# Altium PCB PCB1.PcbDoc (part 1 of 8)
Units mm, origin at the board's own origin, x right, y up, seen from the top; angles counter-clockwise.
Board outline 215 x 62.44 mm, 6 copper layers (Top Layer, Layer 1, Layer 2, Layer 3, Layer 4, Bottom Layer), stack 1.538 mm thick; 444 components, 475 nets, 1876 pads, 1257 vias.
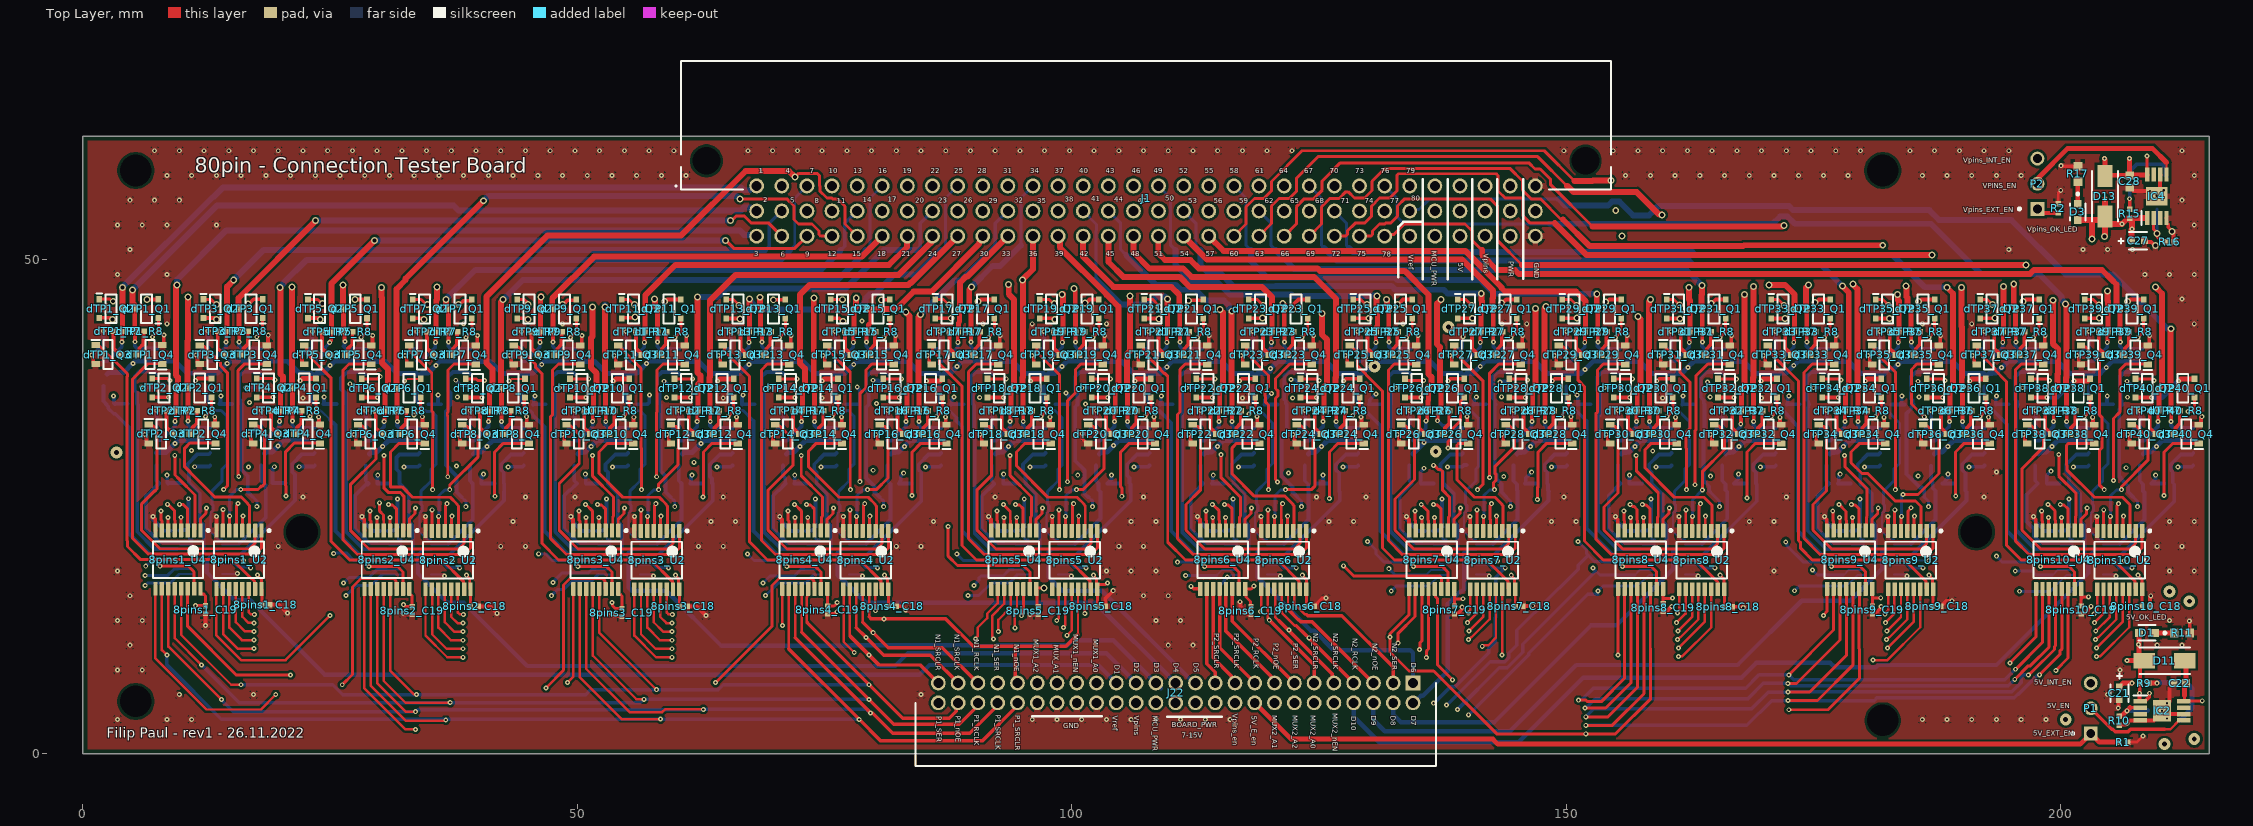
[diagram p0: Top Layer view]
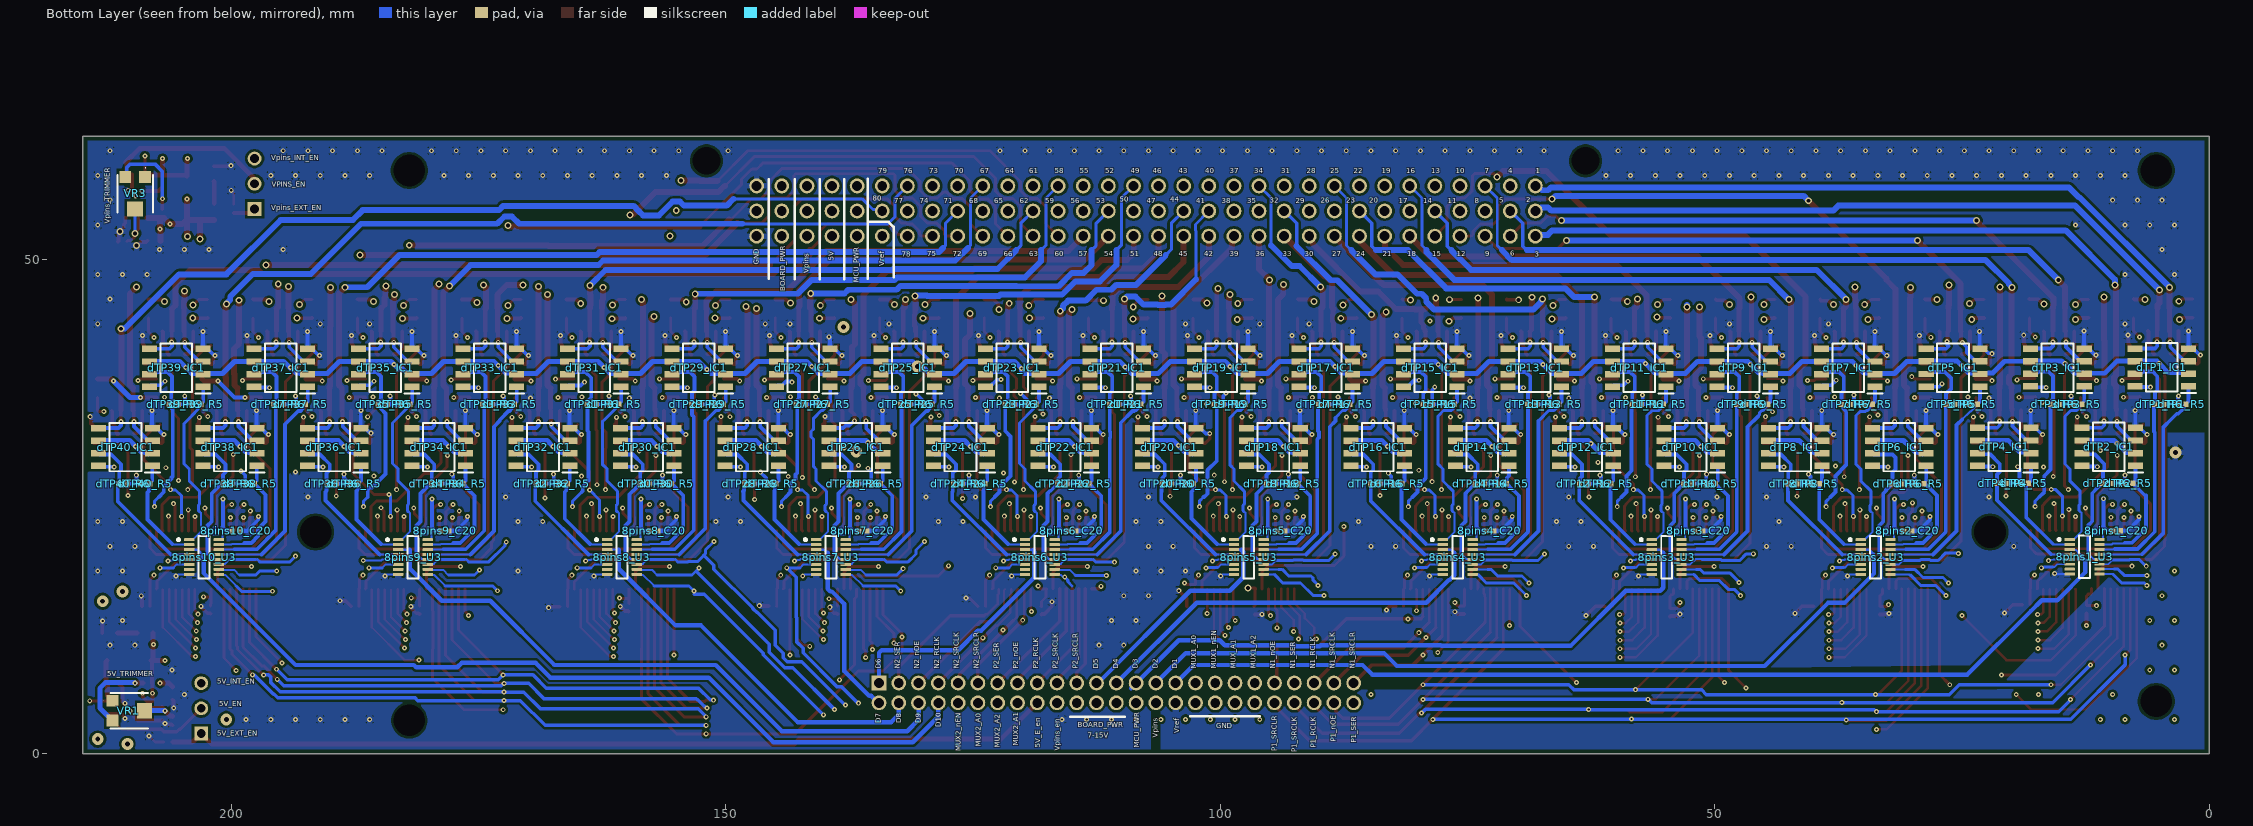
[diagram p1: Bottom Layer view, seen from below]
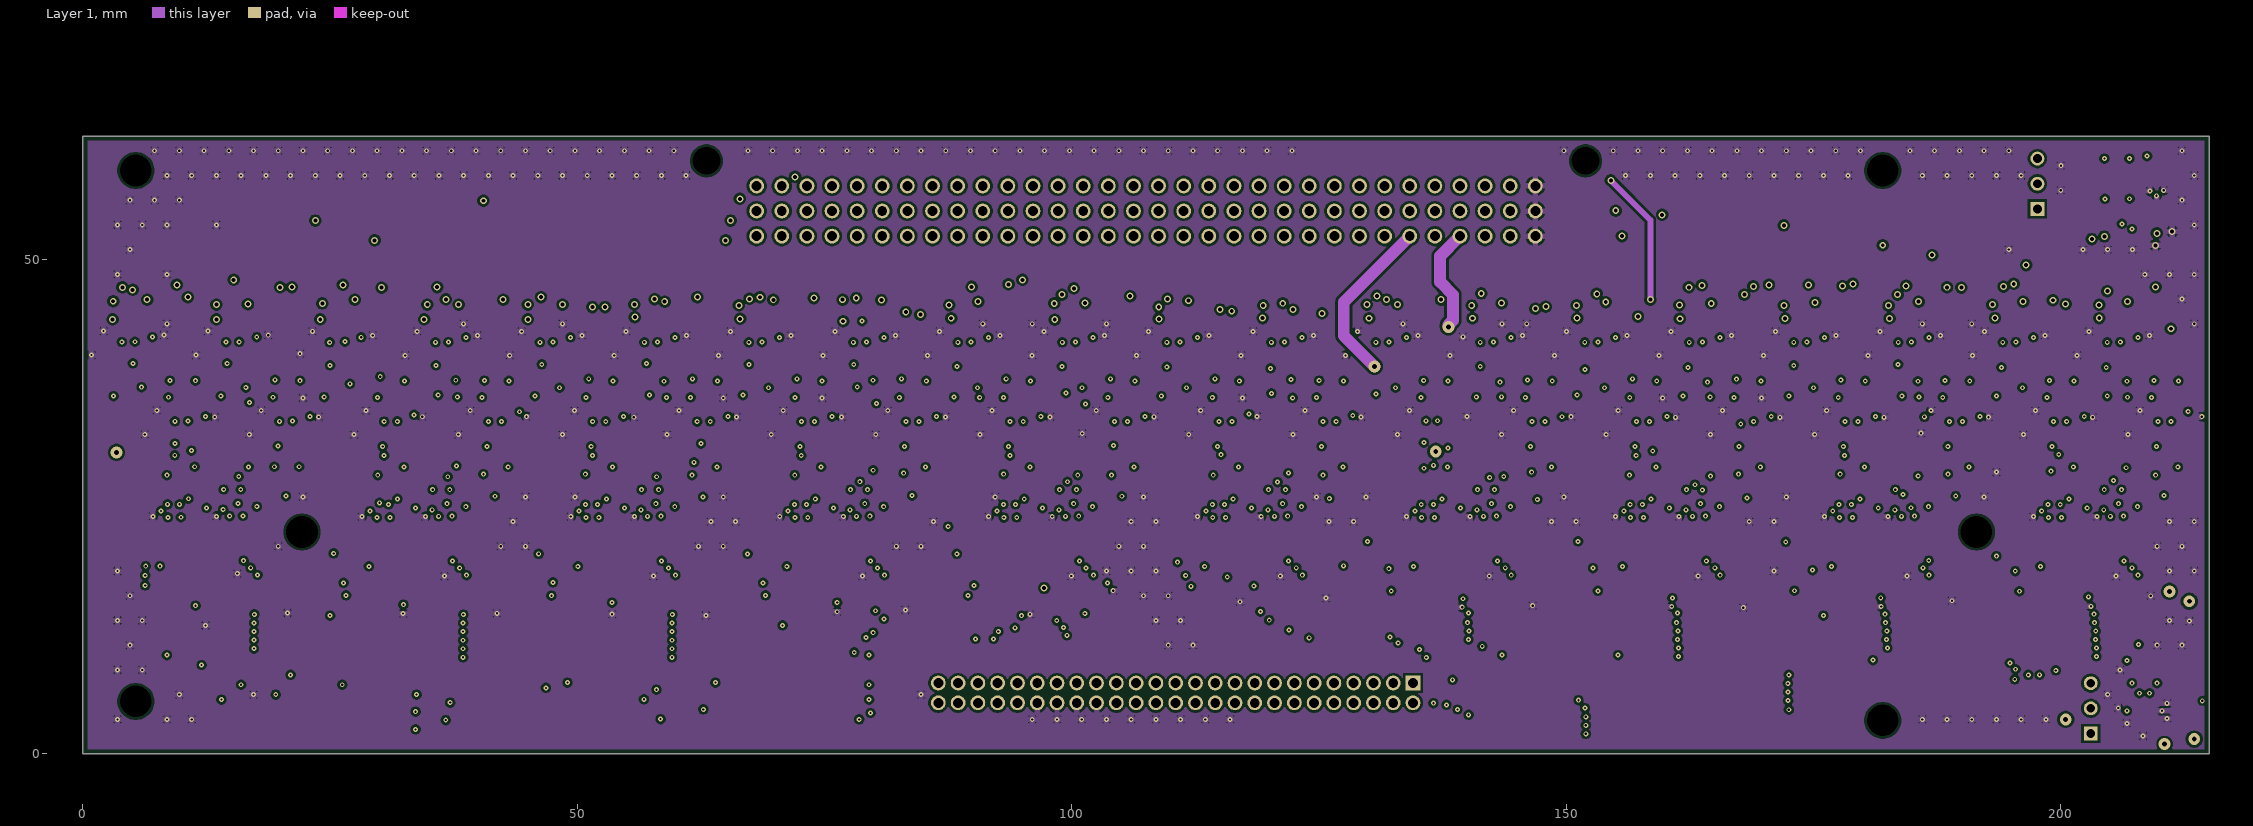
[diagram p2: Layer 1]
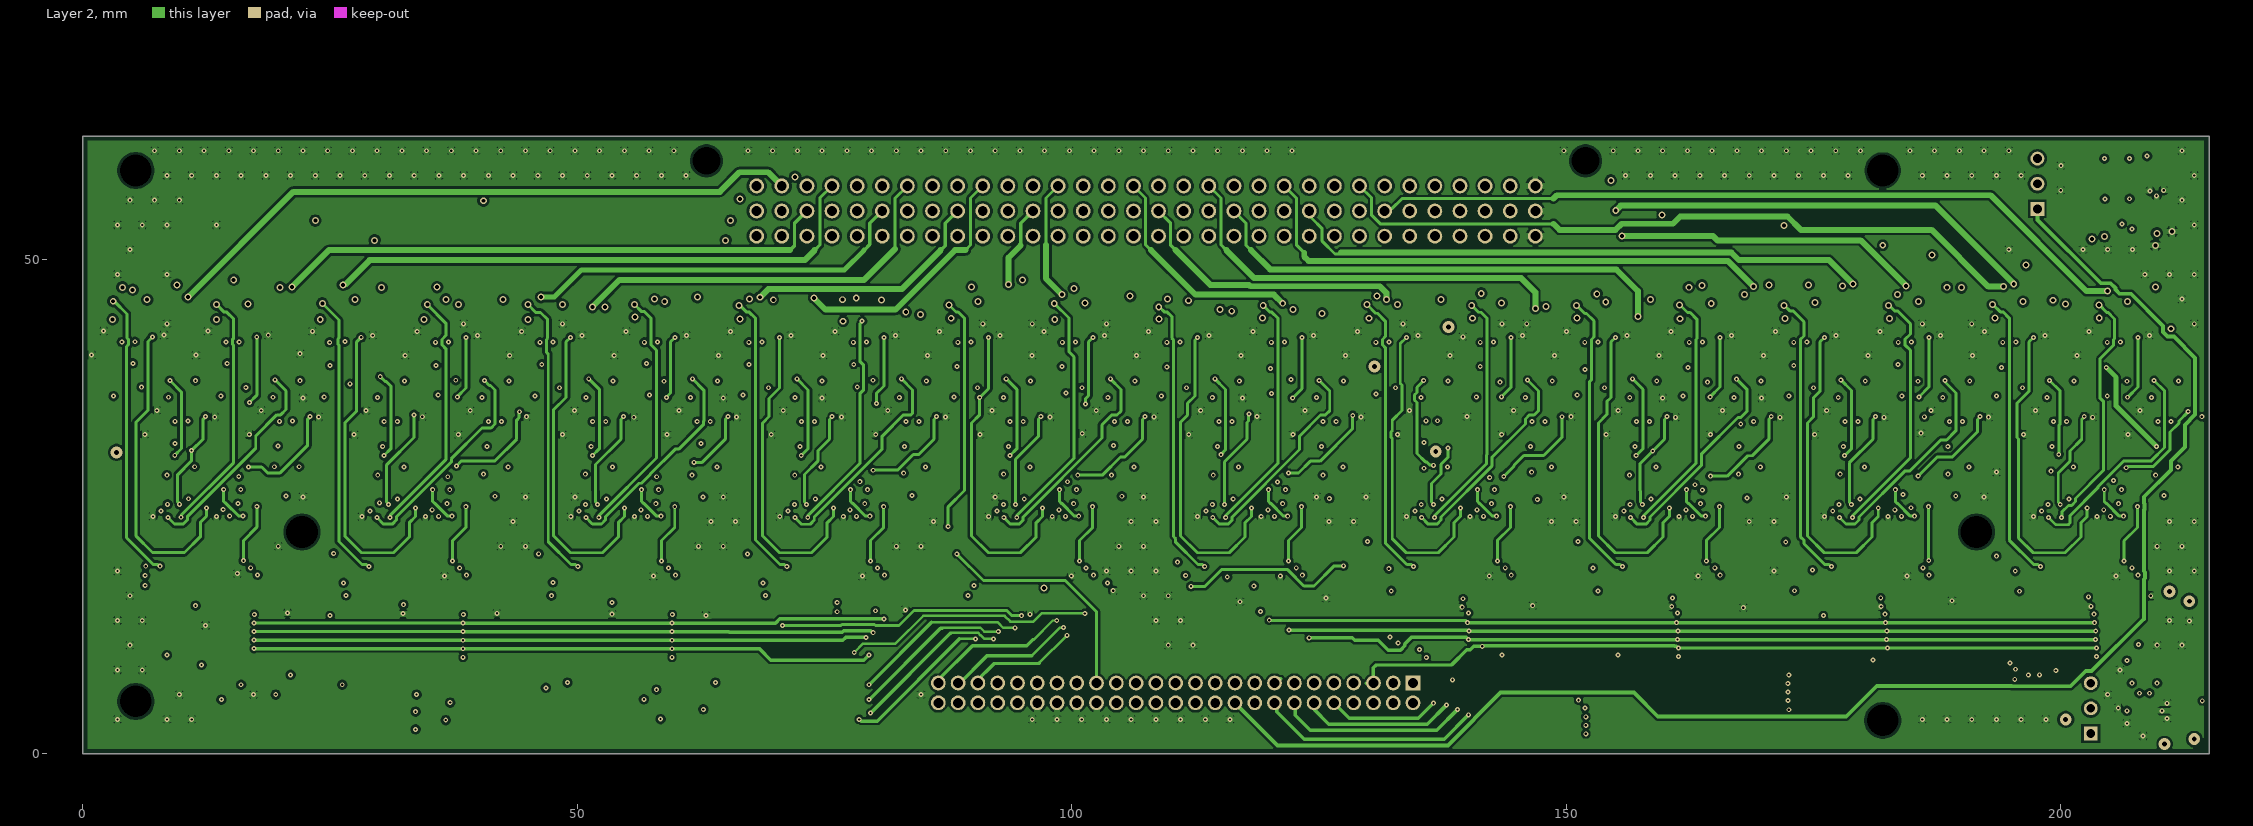
[diagram p3: Layer 2]
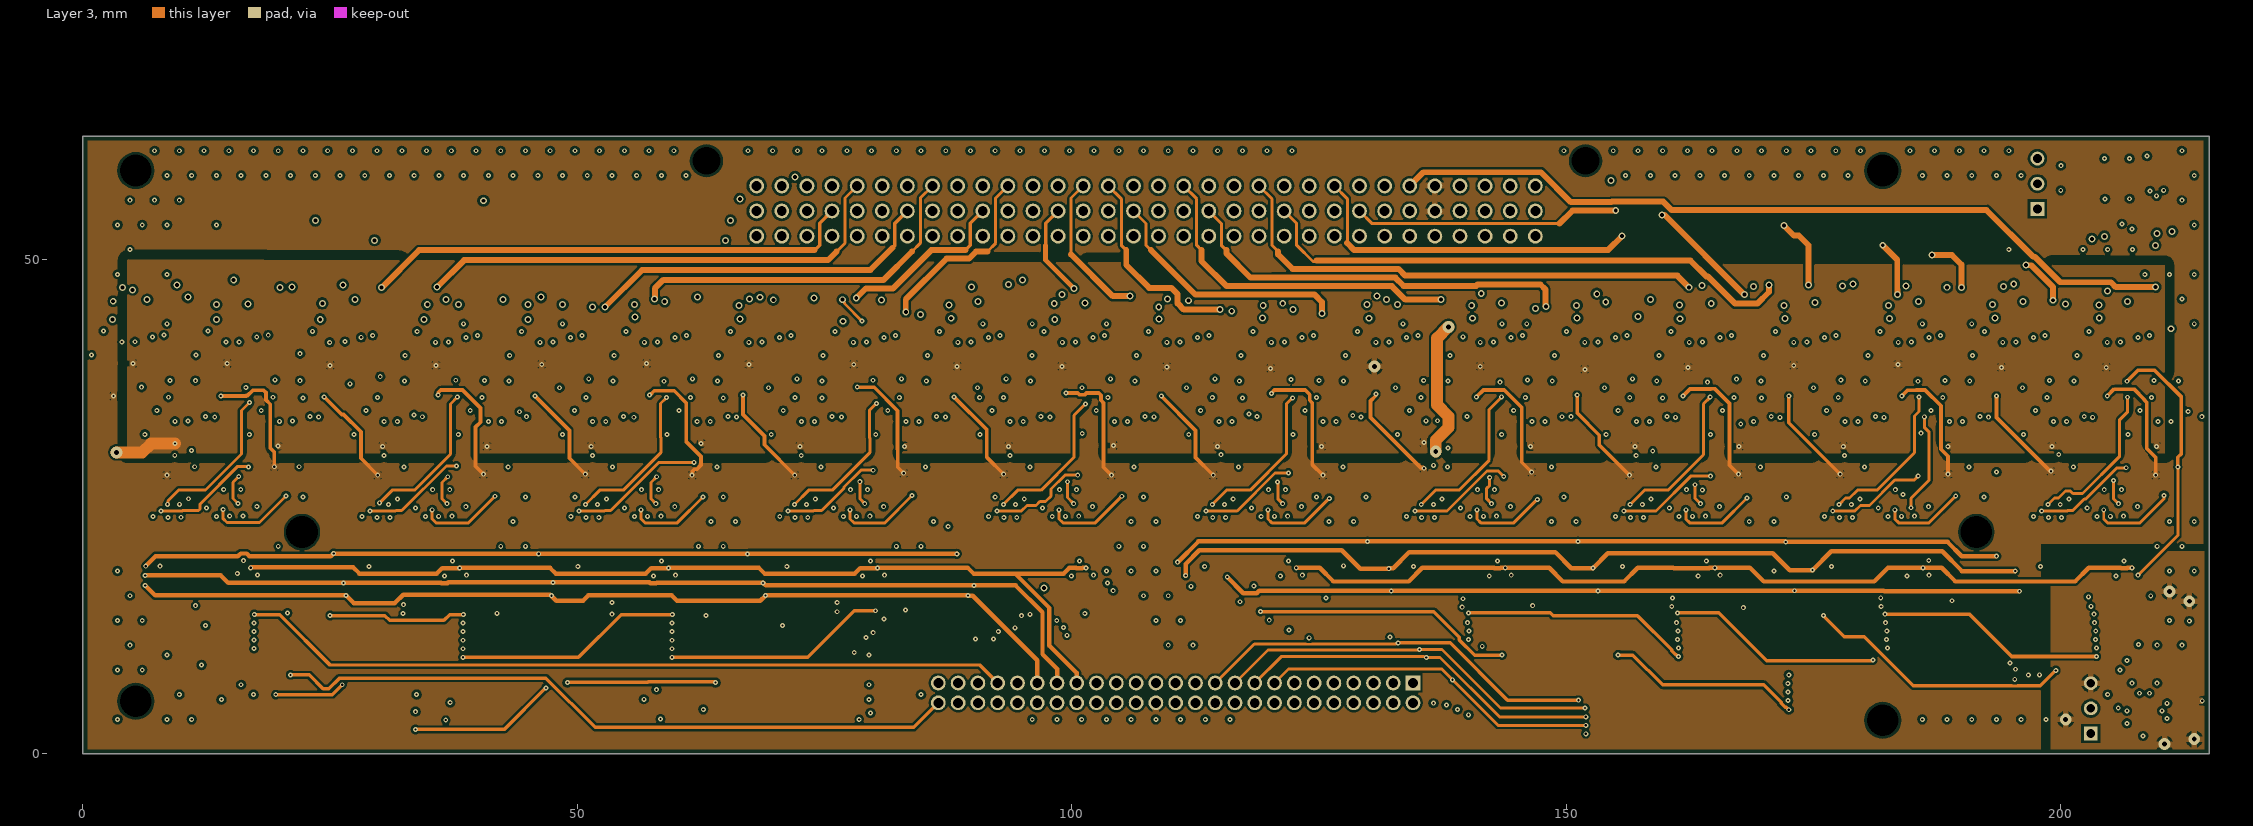
[diagram p4: Layer 3]
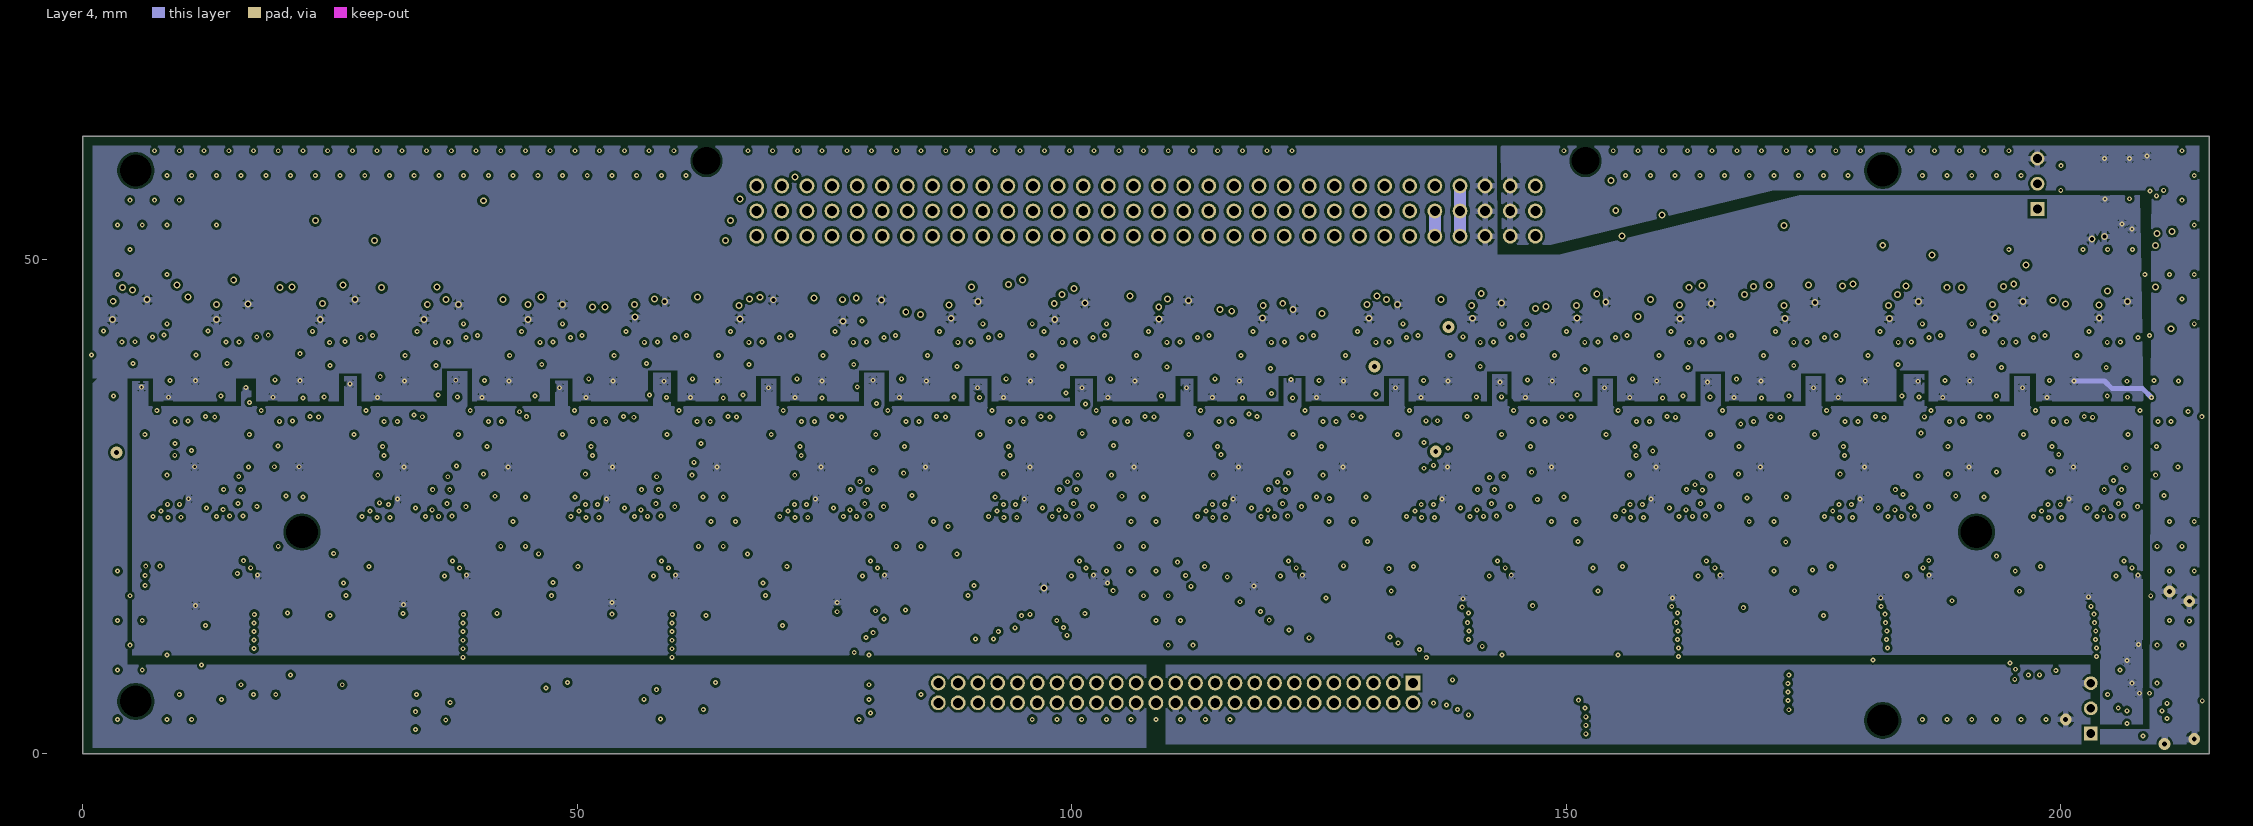
[diagram p5: Layer 4]
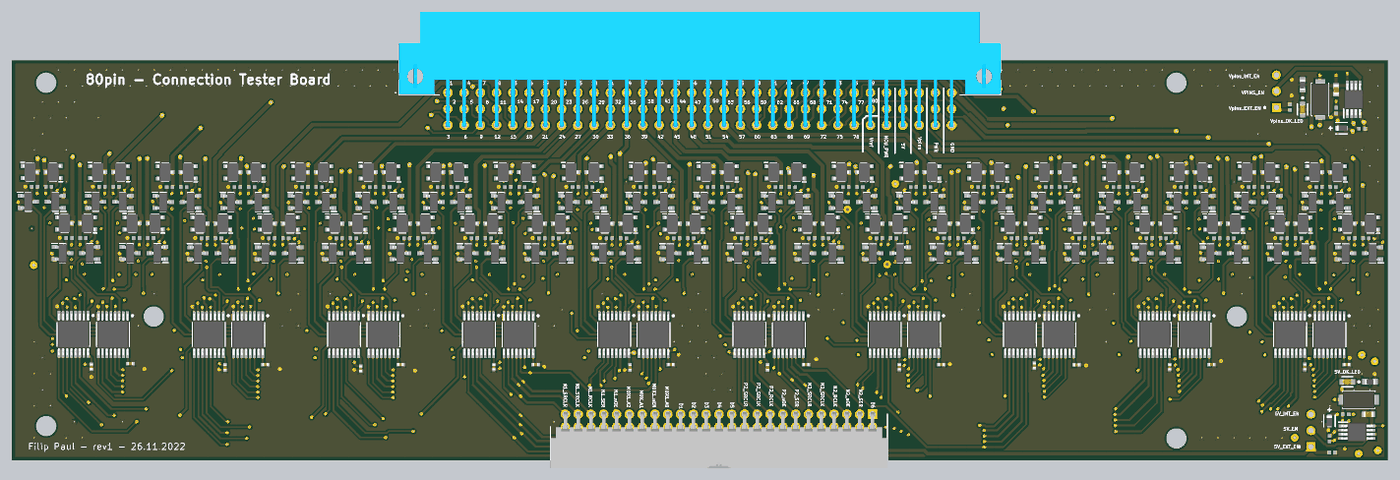
[diagram p13: 3D render of the assembled board from above, using the file's embedded part models]

## Layer stack, top to bottom
Top Solder: solder mask 0.0102, Solder Resist, Dk 3.5
Top Layer: signal copper 0.035
Dielectric 2: prepreg 0.0994, PP-006, Dk 4.6
Layer 1: signal copper 0.0152
Dielectric 3: prepreg 0.55, PP-006, Dk 4.1
Layer 2: signal copper 0.0152
Dielectric 1: dielectric 0.1088, FR-4, Dk 4.8
Layer 3: signal copper 0.0152
Dielectric 4: prepreg 0.55, PP-006, Dk 4.1
Layer 4: signal copper 0.0152
Dielectric 5: prepreg 0.0994, PP-006, Dk 4.6
Bottom Layer: signal copper 0.035
Bottom Solder: solder mask 0.0102, Solder Resist, Dk 3.5

## Board outline
215,0 215,62.445 0,62.445 0,0

## Design rules (kind name [scope] priority, off if disabled: settings)
Clearance Clearance_1 [InNamedPolygon('VREF_L04_P020')] p1: gap=0.254 ignorepadtopadclearanceinfootprint=FALSE except(0: Arc-Hole Track-Hole SMDPad-Hole THPad-Hole Via-Hole Fill-Hole Poly-Hole Region-Hole Text-Hole; 1: Fill-Fill Fill-Poly Fill-Region Poly-Poly Poly-Region Region-Region)
Clearance [All] p2: gap=0.254 ignorepadtopadclearanceinfootprint=TRUE except(0: Fill-Hole Poly-Hole Region-Hole Text-Hole; 0.127: SMDPad-SMDPad; 0.2: Arc-SMDPad Track-SMDPad; 0.33: Arc-THPad Track-THPad; 0.5: THPad-THPad THPad-Hole Via-Hole)
Height [All] p1: minheight=0 maxheight=25 prefheight=4.5
HoleSize [All] p1: absolutevalues=TRUE maxlimit=6.3 minlimit=0.2 maxpercent=80.000 minpercent=20.000
MinimumAnnularRing [All] p1: minimumring=0.13
MinimumSolderMaskSliver [All] p1: minsoldermaskwidth=0.1
PlaneClearance [All] p1: clearance=0.1
PlaneConnect [All] p1: planeconnectstyle=Relief reliefexpansion=0.508 reliefentries=4 reliefconductorwidth=0.6 reliefairgap=0.254
PolygonConnect [All] p1: connectstyle=Relief reliefconductorwidth=0.6 reliefentries=4 polygonreliefangle="90 Angle" airgapwidth=0.254
RoutingVias [All] p1: holewidth=0.35 width=0.5 viastyle="Through Hole" minholewidth=0.2 minwidth=0.4 maxholewidth=0.711 maxwidth=1.27
SilkToSilkClearance [All] p1: silktosilkclearance=0.15
SilkToSolderMaskClearance [IsPad] p1: minsilkscreentomaskgap=0.1 clearancetoexposedcopper=TRUE
SolderMaskExpansion [All] p1: expansion=0.05 istentingtop=FALSE
UnRoutedNet [All] p1: checkbadconnections=TRUE
Width [All] p1: maxlimit=5 minlimit=0.09 preferedwidth=0.35 toplayer_prefwidth=0.2 midlayer1_prefwidth=0.2 midlayer2_prefwidth=0.2 midlayer3_prefwidth=0.2 bottomlayer_prefwidth=0.2 minimp=50.000000 maximp=50.000000 favimp=50.000000
22 further rules are at their usual default settings.

## Classes and differential pairs
component class main_scheme: J1 J22
component class U_POWER: C21 C22 C27 C28 D1 D3 D11 D13 IC2 IC4 P1 P2 R1 R2 R9 R10 R11 R15 R16 R17 VR1 VR3
component class dTP40: dTP40_IC1 dTP40_Q1 dTP40_Q2 dTP40_Q3 dTP40_Q4 dTP40_R5 dTP40_R6 dTP40_R7 dTP40_R8
component class dTP39: dTP39_IC1 dTP39_Q1 dTP39_Q2 dTP39_Q3 dTP39_Q4 dTP39_R5 dTP39_R6 dTP39_R7 dTP39_R8
component class dTP38: dTP38_IC1 dTP38_Q1 dTP38_Q2 dTP38_Q3 dTP38_Q4 dTP38_R5 dTP38_R6 dTP38_R7 dTP38_R8
component class dTP37: dTP37_IC1 dTP37_Q1 dTP37_Q2 dTP37_Q3 dTP37_Q4 dTP37_R5 dTP37_R6 dTP37_R7 dTP37_R8
component class dTP36: dTP36_IC1 dTP36_Q1 dTP36_Q2 dTP36_Q3 dTP36_Q4 dTP36_R5 dTP36_R6 dTP36_R7 dTP36_R8
component class dTP35: dTP35_IC1 dTP35_Q1 dTP35_Q2 dTP35_Q3 dTP35_Q4 dTP35_R5 dTP35_R6 dTP35_R7 dTP35_R8
component class dTP34: dTP34_IC1 dTP34_Q1 dTP34_Q2 dTP34_Q3 dTP34_Q4 dTP34_R5 dTP34_R6 dTP34_R7 dTP34_R8
component class dTP33: dTP33_IC1 dTP33_Q1 dTP33_Q2 dTP33_Q3 dTP33_Q4 dTP33_R5 dTP33_R6 dTP33_R7 dTP33_R8
component class dTP32: dTP32_IC1 dTP32_Q1 dTP32_Q2 dTP32_Q3 dTP32_Q4 dTP32_R5 dTP32_R6 dTP32_R7 dTP32_R8
component class dTP31: dTP31_IC1 dTP31_Q1 dTP31_Q2 dTP31_Q3 dTP31_Q4 dTP31_R5 dTP31_R6 dTP31_R7 dTP31_R8
component class dTP30: dTP30_IC1 dTP30_Q1 dTP30_Q2 dTP30_Q3 dTP30_Q4 dTP30_R5 dTP30_R6 dTP30_R7 dTP30_R8
component class dTP29: dTP29_IC1 dTP29_Q1 dTP29_Q2 dTP29_Q3 dTP29_Q4 dTP29_R5 dTP29_R6 dTP29_R7 dTP29_R8
component class dTP28: dTP28_IC1 dTP28_Q1 dTP28_Q2 dTP28_Q3 dTP28_Q4 dTP28_R5 dTP28_R6 dTP28_R7 dTP28_R8
component class dTP27: dTP27_IC1 dTP27_Q1 dTP27_Q2 dTP27_Q3 dTP27_Q4 dTP27_R5 dTP27_R6 dTP27_R7 dTP27_R8
component class dTP26: dTP26_IC1 dTP26_Q1 dTP26_Q2 dTP26_Q3 dTP26_Q4 dTP26_R5 dTP26_R6 dTP26_R7 dTP26_R8
component class dTP25: dTP25_IC1 dTP25_Q1 dTP25_Q2 dTP25_Q3 dTP25_Q4 dTP25_R5 dTP25_R6 dTP25_R7 dTP25_R8
component class dTP24: dTP24_IC1 dTP24_Q1 dTP24_Q2 dTP24_Q3 dTP24_Q4 dTP24_R5 dTP24_R6 dTP24_R7 dTP24_R8
component class dTP23: dTP23_IC1 dTP23_Q1 dTP23_Q2 dTP23_Q3 dTP23_Q4 dTP23_R5 dTP23_R6 dTP23_R7 dTP23_R8
component class dTP22: dTP22_IC1 dTP22_Q1 dTP22_Q2 dTP22_Q3 dTP22_Q4 dTP22_R5 dTP22_R6 dTP22_R7 dTP22_R8
component class dTP21: dTP21_IC1 dTP21_Q1 dTP21_Q2 dTP21_Q3 dTP21_Q4 dTP21_R5 dTP21_R6 dTP21_R7 dTP21_R8
component class dTP20: dTP20_IC1 dTP20_Q1 dTP20_Q2 dTP20_Q3 dTP20_Q4 dTP20_R5 dTP20_R6 dTP20_R7 dTP20_R8
component class dTP19: dTP19_IC1 dTP19_Q1 dTP19_Q2 dTP19_Q3 dTP19_Q4 dTP19_R5 dTP19_R6 dTP19_R7 dTP19_R8
component class dTP18: dTP18_IC1 dTP18_Q1 dTP18_Q2 dTP18_Q3 dTP18_Q4 dTP18_R5 dTP18_R6 dTP18_R7 dTP18_R8
component class dTP17: dTP17_IC1 dTP17_Q1 dTP17_Q2 dTP17_Q3 dTP17_Q4 dTP17_R5 dTP17_R6 dTP17_R7 dTP17_R8
component class dTP16: dTP16_IC1 dTP16_Q1 dTP16_Q2 dTP16_Q3 dTP16_Q4 dTP16_R5 dTP16_R6 dTP16_R7 dTP16_R8
component class dTP15: dTP15_IC1 dTP15_Q1 dTP15_Q2 dTP15_Q3 dTP15_Q4 dTP15_R5 dTP15_R6 dTP15_R7 dTP15_R8
component class dTP14: dTP14_IC1 dTP14_Q1 dTP14_Q2 dTP14_Q3 dTP14_Q4 dTP14_R5 dTP14_R6 dTP14_R7 dTP14_R8
component class dTP13: dTP13_IC1 dTP13_Q1 dTP13_Q2 dTP13_Q3 dTP13_Q4 dTP13_R5 dTP13_R6 dTP13_R7 dTP13_R8
component class dTP12: dTP12_IC1 dTP12_Q1 dTP12_Q2 dTP12_Q3 dTP12_Q4 dTP12_R5 dTP12_R6 dTP12_R7 dTP12_R8
component class dTP11: dTP11_IC1 dTP11_Q1 dTP11_Q2 dTP11_Q3 dTP11_Q4 dTP11_R5 dTP11_R6 dTP11_R7 dTP11_R8
component class dTP10: dTP10_IC1 dTP10_Q1 dTP10_Q2 dTP10_Q3 dTP10_Q4 dTP10_R5 dTP10_R6 dTP10_R7 dTP10_R8
component class dTP9: dTP9_IC1 dTP9_Q1 dTP9_Q2 dTP9_Q3 dTP9_Q4 dTP9_R5 dTP9_R6 dTP9_R7 dTP9_R8
component class dTP8: dTP8_IC1 dTP8_Q1 dTP8_Q2 dTP8_Q3 dTP8_Q4 dTP8_R5 dTP8_R6 dTP8_R7 dTP8_R8
component class dTP7: dTP7_IC1 dTP7_Q1 dTP7_Q2 dTP7_Q3 dTP7_Q4 dTP7_R5 dTP7_R6 dTP7_R7 dTP7_R8
component class dTP6: dTP6_IC1 dTP6_Q1 dTP6_Q2 dTP6_Q3 dTP6_Q4 dTP6_R5 dTP6_R6 dTP6_R7 dTP6_R8
component class dTP5: dTP5_IC1 dTP5_Q1 dTP5_Q2 dTP5_Q3 dTP5_Q4 dTP5_R5 dTP5_R6 dTP5_R7 dTP5_R8
component class dTP4: dTP4_IC1 dTP4_Q1 dTP4_Q2 dTP4_Q3 dTP4_Q4 dTP4_R5 dTP4_R6 dTP4_R7 dTP4_R8
component class dTP3: dTP3_IC1 dTP3_Q1 dTP3_Q2 dTP3_Q3 dTP3_Q4 dTP3_R5 dTP3_R6 dTP3_R7 dTP3_R8
component class dTP2: dTP2_IC1 dTP2_Q1 dTP2_Q2 dTP2_Q3 dTP2_Q4 dTP2_R5 dTP2_R6 dTP2_R7 dTP2_R8
component class dTP1: dTP1_IC1 dTP1_Q1 dTP1_Q2 dTP1_Q3 dTP1_Q4 dTP1_R5 dTP1_R6 dTP1_R7 dTP1_R8
component class 8pins10: 8pins10_C18 8pins10_C19 8pins10_C20 8pins10_U2 8pins10_U3 8pins10_U4
component class 8pins9: 8pins9_C18 8pins9_C19 8pins9_C20 8pins9_U2 8pins9_U3 8pins9_U4
component class 8pins8: 8pins8_C18 8pins8_C19 8pins8_C20 8pins8_U2 8pins8_U3 8pins8_U4
component class 8pins7: 8pins7_C18 8pins7_C19 8pins7_C20 8pins7_U2 8pins7_U3 8pins7_U4
component class 8pins6: 8pins6_C18 8pins6_C19 8pins6_C20 8pins6_U2 8pins6_U3 8pins6_U4
component class 8pins5: 8pins5_C18 8pins5_C19 8pins5_C20 8pins5_U2 8pins5_U3 8pins5_U4
component class 8pins4: 8pins4_C18 8pins4_C19 8pins4_C20 8pins4_U2 8pins4_U3 8pins4_U4
component class 8pins3: 8pins3_C18 8pins3_C19 8pins3_C20 8pins3_U2 8pins3_U3 8pins3_U4
component class 8pins2: 8pins2_C18 8pins2_C19 8pins2_C20 8pins2_U2 8pins2_U3 8pins2_U4
component class 8pins1: 8pins1_C18 8pins1_C19 8pins1_C20 8pins1_U2 8pins1_U3 8pins1_U4
channel class TPs: dTP1 dTP2 dTP3 dTP4 dTP5 dTP6 dTP7 dTP8 dTP9 dTP10 dTP11 dTP12 dTP13 dTP14 dTP15 dTP16 dTP17 dTP18 dTP19 dTP20 dTP21 dTP22 dTP23 dTP24 dTP25 dTP26 dTP27 dTP28 dTP29 dTP30 dTP31 dTP32 dTP33 dTP34 dTP35 dTP36 dTP37 dTP38 dTP39 dTP40
channel class 8pins_together: 8pins1 8pins2 8pins3 8pins4 8pins5 8pins6 8pins7 8pins8 8pins9 8pins10
